# KiCad board backplane.20-slot.kicad_pcb (continued)
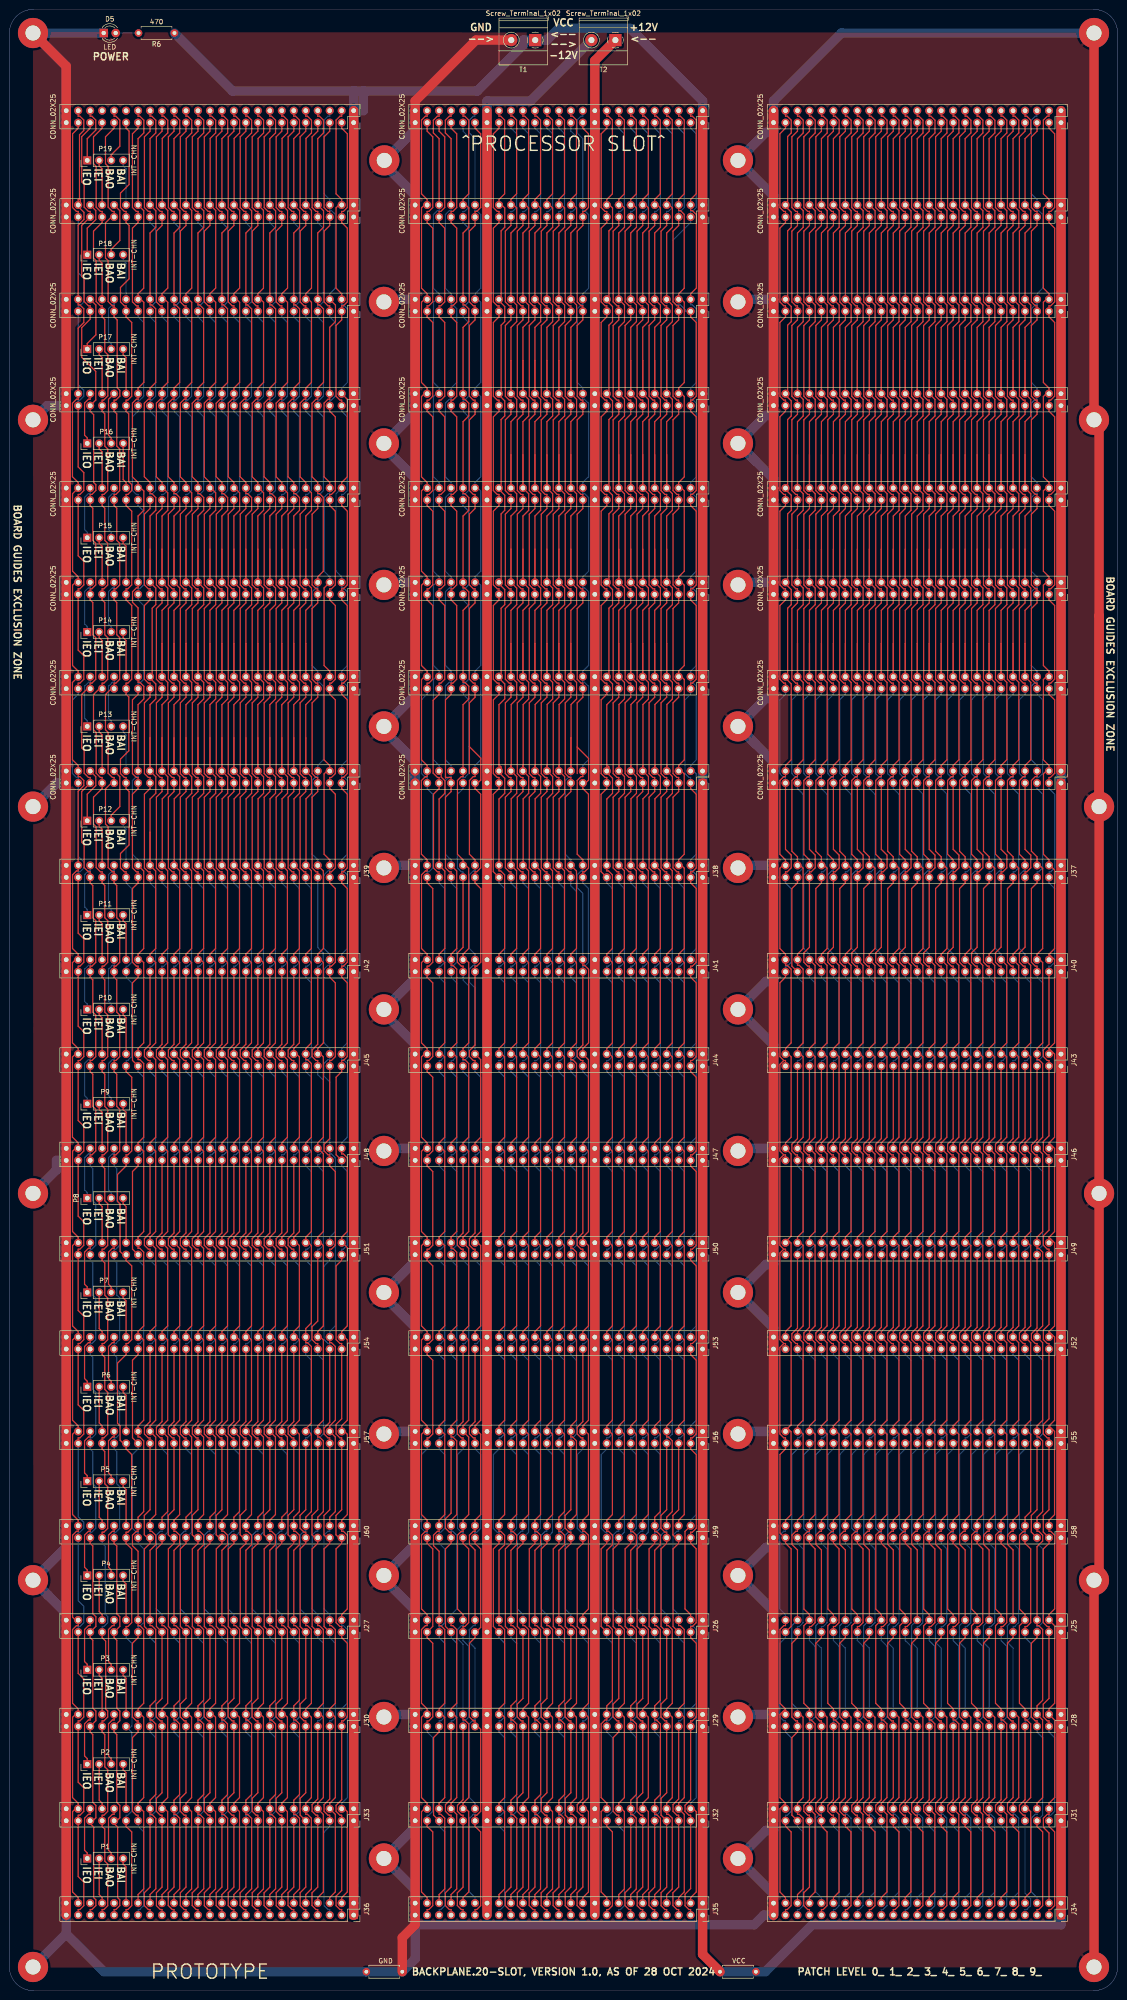
[diagram p0: board, top side]
## Routing (per net, layer and track width the routed paths; a pad name or vN(x,y) marks a point on that pad's centre or on a via; arc(x,y) is an arc through that point) (continued)
/D31: length 410.7
  Top w0.25: J46.4 220.46,179.72 ; 220.46,179.72 221.64,178.54 221.64,160.89 220.46,159.72 ; 220.46,179.72 221.64,180.89 221.64,198.54 220.46,199.72 ; 220.46,299.13 220.46,299.72 219.27,300.91 219.27,317.94 220.46,319.13 ; 220.46,299.13 J9.4 ; 220.46,299.13 219.27,297.94 219.27,280.91 220.46,279.72 220.46,279.13 ; 220.46,259.13 219.28,257.95 ; 220.46,259.13 220.46,259.72 219.27,260.91 219.27,277.94 220.46,279.13 ; 220.46,259.13 J3.4 ; 219.28,257.95 219.28,240.89 220.46,239.72 220.46,238.75 ; 219.28,257.95 219.27,257.94 ; J24.4 220.46,397.36 220.09,397.36 219.27,396.54 219.27,380.91 220.46,379.72 220.46,379.13 ; J18.4 220.46,359.13 ; 220.46,359.13 219.27,357.94 219.27,340.91 220.46,339.72 220.46,339.13 ; 220.46,359.13 220.46,359.72 219.27,360.91 219.27,377.94 220.46,379.13 ; J49.4 220.46,159.72 ; 220.46,159.72 221.64,158.54 221.64,140.89 220.46,139.72 ; 220.46,319.13 220.46,319.72 219.27,320.91 219.27,337.93 220.46,339.13 ; 220.46,319.13 J12.4 ; 220.46,279.13 J6.4 ; J52.4 220.46,139.72 ; 220.46,139.72 221.64,138.54 221.64,120.89 220.46,119.72 ; 220.46,119.72 J55.4 ; 220.46,119.72 221.64,118.54 221.64,100.89 220.46,99.72 J58.4 220.46,97.36 220.83,97.36 221.65,96.54 221.65,80.91 220.46,79.72 J25.4 221.66,77.35 221.66,60.91 220.46,59.72 J28.4 221.67,57.33 221.67,40.93 220.46,39.72 J31.4 220.46,37.36 220.09,37.36 219.27,36.54 219.27,34.6 220.46,33.4 J34.4 ; 220.46,339.13 J15.4 ; 220.46,238.75 221.64,237.57 221.64,220.89 220.46,219.72 ; 220.46,238.75 J37.4 ; J43.4 220.46,199.72 ; 220.46,199.72 221.64,200.89 221.64,218.54 220.46,219.72 ; 220.46,219.72 J40.4 ; J21.4 220.46,379.13
/E: length 405.7
  Top w0.25: J19.4 70.46,379.13 ; 70.46,379.13 69.27,377.94 69.27,360.91 70.46,359.72 J16.4 ; 70.46,379.13 70.46,379.72 69.27,380.91 69.27,396.54 70.09,397.36 70.46,397.36 J22.4 ; 70.46,139.13 70.46,139.72 71.65,140.91 71.65,157.52 70.46,158.71 ; 70.46,139.13 71.65,137.93 71.65,120.91 70.46,119.72 70.46,119.13 ; 70.46,139.13 J54.4 ; 70.46,158.71 70.46,159.72 71.65,160.91 71.65,176.54 70.83,177.36 70.46,177.36 J48.4 ; 70.46,158.71 J51.4 ; 70.46,338.54 J13.4 70.46,338.54 ; 70.46,338.54 71.66,337.35 71.66,320.91 70.46,319.72 J10.4 ; 70.46,119.13 71.65,117.93 71.65,100.91 70.46,99.72 J60.4 70.46,97.36 70.82,97.36 71.65,96.54 71.65,80.91 70.46,79.72 J27.4 ; 70.46,119.13 J57.4 ; J33.4 70.46,39.13 71.65,37.93 71.65,20.91 70.46,19.72 J36.4
  Bottom w0.25: 70.46,59.13 70.46,59.72 71.65,60.91 71.65,76.54 70.82,77.36 70.46,77.36 J27.4 ; 70.46,59.13 71.65,57.93 71.65,40.91 70.46,39.72 J33.4 ; 70.46,59.13 J30.4 ; J13.4 70.46,339.72 71.65,340.91 71.65,356.54 70.83,357.36 70.46,357.36 J16.4 ; J48.4 70.46,179.72 71.65,180.91 71.65,196.54 70.83,197.36 70.46,197.36 J45.4 70.46,199.72 71.65,200.91 71.65,216.54 70.83,217.36 70.46,217.36 J42.4 70.46,219.72 71.65,220.91 71.65,236.54 70.83,237.36 70.46,237.36 J39.4 70.46,239.72 71.65,240.91 71.65,256.54 70.83,257.36 70.46,257.36 J1.4 70.46,259.72 71.65,260.91 71.65,276.54 70.83,277.36 70.46,277.36 J4.4 70.46,279.72 71.65,280.91 71.65,296.54 70.83,297.36 70.46,297.36 J7.4 70.46,299.72 69.27,300.91 69.27,317.35 69.89,317.97 ; 69.89,317.97 J10.4 69.89,317.97
/I2C_SCL: length 402.8
  Top w0.25: J27.47 14.58,67.25 15.76,66.07 15.76,57.99 14.95,57.18 14.58,57.18 J30.47 14.58,44.17 15.76,42.99 15.76,37.99 14.95,37.18 14.58,37.18 J33.47 14.58,24.17 15.77,22.98 15.77,18 14.95,17.18 14.58,17.18 J36.47 ; J19.47 14.58,377.18 14.21,377.18 13.39,378 13.39,393.63 14.58,394.82 J22.47 ; J57.47 14.58,117.18 14.95,117.18 15.76,117.99 15.76,122.99 14.58,124.17 J54.47 14.58,137.18 14.95,137.18 15.76,137.99 15.76,142.99 14.58,144.17 J51.47 14.58,157.18 14.95,157.18 15.76,157.99 15.76,162.99 14.58,164.17 J48.47 14.58,177.18 14.95,177.18 15.77,178 15.77,183.25 14.58,184.45 J45.47 14.58,197.18 14.95,197.18 15.77,198 15.77,203.25 14.58,204.45 J42.47 14.58,217.18 14.95,217.18 15.77,218 15.77,222.98 14.58,224.17 J39.47 ; J13.47 14.58,323 15.77,321.81 15.77,318 14.95,317.18 14.58,317.18 J10.47 14.58,304.17 15.77,302.98 15.77,298 14.95,297.18 14.58,297.18 J7.47 14.58,284.17 15.77,282.98 15.77,278 14.95,277.18 14.58,277.18 J4.47
  Bottom w0.25: J4.47 14.58,274.82 13.37,273.61 13.37,258.02 14.21,257.18 14.58,257.18 J1.47 14.58,240.46 15.79,239.25 15.79,238.02 14.95,237.18 14.58,237.18 J39.47 ; J27.47 14.58,77.18 14.95,77.18 15.78,78.01 15.78,81.46 14.58,82.66 J60.47 14.58,97.18 14.95,97.18 15.79,98.02 15.79,99.25 14.58,100.46 J57.47 ; J13.47 14.58,337.18 14.95,337.18 15.79,338.02 15.79,339.25 14.58,340.46 J16.47 14.58,357.18 14.95,357.18 15.77,358 15.77,362.98 14.58,364.17 J19.47
/I2C_SDA: length 408.7
  Top w0.25: J57.48 14.58,119.13 ; 14.58,119.13 14.58,119.72 13.38,120.91 13.38,137.93 14.58,139.13 ; 14.58,119.13 13.38,117.93 13.38,100.91 14.58,99.72 J60.48 14.58,97.36 14.21,97.36 13.39,96.54 13.39,79.14 14.58,77.95 ; J45.48 14.58,199.13 ; 14.58,199.13 13.37,197.91 13.37,180.93 14.58,179.72 14.58,179.13 ; 14.58,199.13 14.58,199.72 13.37,200.93 13.37,217.91 14.58,219.13 ; 14.58,77.95 14.58,77.36 14.21,77.36 13.38,76.54 13.38,60.91 14.58,59.72 14.58,59.13 ; 14.58,77.95 J27.48 ; J4.48 14.58,279.13 ; J4.48 13.37,277.33 13.37,260.93 14.58,259.72 J1.48 14.58,257.36 14.95,257.36 15.77,256.54 15.77,255.44 14.58,254.25 J39.48 14.58,237.36 14.21,237.36 13.38,236.54 13.38,220.91 14.58,219.72 14.58,219.13 ; J4.48 14.58,279.13 ; 14.58,279.13 14.58,279.72 13.39,280.91 13.39,297.93 14.58,299.13 ; 14.58,299.13 14.58,299.72 13.39,300.91 13.39,317.35 J10.48 ; 14.58,299.13 J7.48 ; 14.86,379.75 14.86,393.43 15.76,394.33 15.76,396.55 14.95,397.36 14.58,397.36 J22.48 ; 14.86,379.75 14.83,379.72 14.58,379.72 J19.48 ; 14.86,379.75 14.96,379.75 15.03,379.67 15.03,377.76 15.8,376.99 15.8,375.47 14.58,374.25 J16.48 14.58,357.36 14.95,357.36 15.77,356.54 15.77,353.63 14.58,352.44 J13.48 14.58,337.36 14.21,337.36 13.37,336.52 13.37,320.93 14.58,319.72 14.58,319.13 ; J10.48 14.58,319.13 ; J10.48 14.58,319.13 ; 14.58,139.13 J54.48 ; 14.58,139.13 14.58,139.72 13.38,140.91 13.38,157.93 14.58,159.13 ; 14.58,219.13 J42.48 ; 14.58,39.13 14.58,39.72 13.38,40.91 13.38,57.93 14.58,59.13 ; 14.58,39.13 13.38,37.93 13.38,20.91 14.58,19.72 J36.48 ; 14.58,39.13 J33.48 ; 14.58,59.13 J30.48 ; J51.48 14.58,159.13 ; 14.58,159.13 14.58,159.72 13.38,160.91 13.38,177.93 14.58,179.13 ; 14.58,179.13 J48.48
/IC0: length 402.6
  Top w0.25: J23.45 91.12,394.19 92.31,393 92.31,378 91.49,377.18 91.12,377.18 J20.45 91.12,374.82 92.31,373.63 92.31,358 91.49,357.18 91.12,357.18 J17.45 91.12,354.82 92.31,353.63 92.31,338 91.49,337.18 91.12,337.18 J14.45 91.12,334.82 92.31,333.63 92.31,318 91.49,317.18 91.12,317.18 J11.45 91.12,314.82 92.31,313.63 92.31,298 91.49,297.18 91.12,297.18 J8.45 91.12,294.82 92.31,293.63 92.31,278 91.49,277.18 91.12,277.18 J5.45 91.12,274.82 89.85,273.55 89.85,258.11 90.78,257.18 91.12,257.18 J2.45 91.12,254.82 89.93,253.63 89.93,238 90.75,237.18 91.12,237.18 J38.45 ; J32.45 89.94,37.18 89.94,53.64 91.12,54.82 J29.45
  Bottom w0.25: J29.45 91.12,57.18 91.49,57.18 92.31,58 92.31,73.63 91.12,74.82 J26.45 91.12,77.18 91.49,77.18 92.31,78 92.31,93.63 91.12,94.82 J59.45 91.12,97.18 91.49,97.18 92.31,98 92.31,113.63 91.12,114.82 J56.45 91.12,117.18 91.49,117.18 92.31,118 92.31,133.63 91.12,134.82 J53.45 91.12,137.18 91.49,137.18 92.31,138 92.31,153.63 91.12,154.82 J50.45 91.12,157.18 91.49,157.18 92.31,158 92.31,173.63 91.12,174.82 J47.45 91.12,177.18 91.49,177.18 92.31,178 92.31,193.63 91.12,194.82 J44.45 91.12,197.18 91.49,197.18 92.31,198 92.31,213.63 91.12,214.82 J41.45 91.12,217.18 91.49,217.18 92.31,218 92.31,233.63 91.12,234.82 J38.45 ; J35.45 91.12,17.18 91.49,17.18 92.31,18 92.31,33.63 91.12,34.82 J32.45
/IC1: length 403.3
  Top w0.25: 92.47,257.32 92.47,273.63 93.66,274.82 J5.43 93.66,277.18 94.03,277.18 94.85,278 94.85,293.63 93.66,294.82 J8.43 93.66,297.18 94.03,297.18 94.85,298 94.85,313.63 93.66,314.82 J11.43 93.66,317.18 94.03,317.18 94.85,318 94.85,333.63 93.66,334.82 J14.43 93.66,337.18 94.03,337.18 94.85,338 94.85,353.63 93.66,354.82 J17.43 93.66,357.18 94.03,357.18 94.85,358 94.85,373.63 93.66,374.82 J20.43 93.66,377.18 94.03,377.18 94.85,378 94.85,393.63 93.66,394.82 J23.43 ; 92.47,257.32 92.47,257.04 ; 92.47,257.32 92.61,257.18 93.66,257.18 J2.43 93.66,254.19 92.47,253 92.47,238 93.29,237.18 93.66,237.18 J38.43 ; J26.43 92.47,77.19 92.47,93.63 93.66,94.82 J59.43 93.66,97.18 93.29,97.18 92.47,98 92.47,100.02 93.66,101.21 J56.43 ; J35.43 93.66,17.18 93.29,17.18 92.44,18.03 92.44,20.72 93.66,21.94 J32.43 93.66,37.18 93.29,37.18 92.47,38 92.47,39.42 93.66,40.61 J29.43
  Bottom w0.25: J56.43 93.66,117.18 94.03,117.18 94.85,118 94.85,133.63 93.66,134.82 J53.43 93.66,137.18 94.03,137.18 94.85,138 94.85,153.63 93.66,154.82 J50.43 93.66,157.18 94.03,157.18 94.85,158 94.85,173.63 93.66,174.82 J47.43 93.66,177.18 94.03,177.18 94.85,178 94.85,193.63 93.66,194.82 J44.43 93.66,197.18 94.03,197.18 94.85,198 94.85,213.63 93.66,214.82 J41.43 93.66,217.18 94.03,217.18 94.85,218 94.85,233.63 93.66,234.82 J38.43 ; J29.43 93.66,57.18 94.03,57.18 94.85,58 94.85,73.63 93.66,74.82 J26.43
/IC2: length 402.8
  Top w0.25: J56.41 96.2,117.18 95.83,117.18 95.01,118 95.01,119.42 96.2,120.61 J53.41 ; J35.41 96.2,17.18 95.83,17.18 94.99,18.02 94.99,20.72 96.2,21.94 J32.41 96.2,37.18 95.83,37.18 95.01,38 95.01,39.27 96.2,40.46 J29.41 ; J41.41 96.2,217.18 95.83,217.18 95.01,218 95.01,219.99 96.2,221.18 J38.41 ; J47.41 96.2,160.61 95.01,159.42 95.01,158 95.83,157.18 96.2,157.18 J50.41 ; J59.41 96.2,94.82 97.39,93.63 97.39,78 96.57,77.18 96.2,77.18 J26.41
  Bottom w0.25: J47.41 96.2,177.18 96.57,177.18 97.39,178 97.39,193.63 96.2,194.82 J44.41 96.2,197.18 96.57,197.18 97.39,198 97.39,213 96.2,214.19 J41.41 ; J50.41 96.2,154.82 97.39,153.63 97.39,138 96.57,137.18 96.2,137.18 J53.41 ; J26.41 96.2,74.19 97.39,72.99 97.39,58 96.57,57.18 96.2,57.18 J29.41 ; J38.41 96.2,237.18 95.83,237.18 95.01,238 95.01,253.63 96.2,254.82 J2.41 96.2,257.18 96.57,257.18 97.39,258 97.39,273.63 96.2,274.82 J5.41 96.2,277.18 96.56,277.18 97.39,278 97.39,293.63 96.2,294.82 J8.41 96.2,297.18 96.56,297.18 97.39,298 97.39,313.63 96.2,314.82 J11.41 96.2,317.18 96.56,317.18 97.39,318 97.39,333.63 96.2,334.82 J14.41 96.2,337.18 96.56,337.18 97.39,338 97.39,353.63 96.2,354.82 J17.41 96.2,357.18 96.56,357.18 97.39,358 97.39,373.63 96.2,374.82 J20.41 96.2,377.18 96.56,377.18 97.39,378 97.39,393 96.2,394.19 J23.41 ; J56.41 96.2,114.82 95.02,113.65 95.02,97.99 95.83,97.18 96.2,97.18 J59.41
/IC3: length 410.5
  Top w0.25: J44.39 98.74,197.18 98.37,197.18 97.55,198 97.55,199.27 98.74,200.46 J41.39 98.74,217.18 99.11,217.18 99.95,218.02 99.95,233.61 98.74,234.82 J38.39 98.74,237.18 99.11,237.18 99.94,238 99.94,253.63 98.74,254.82 98.74,255.41 ; 98.74,75.8 99.93,77 99.93,93.63 98.74,94.82 J59.39 ; 98.74,75.8 98.74,74.82 97.55,73.63 97.55,58 98.37,57.18 98.74,57.18 98.74,56.59 ; 98.74,75.8 J26.39 ; J53.39 98.74,120.61 97.55,119.42 97.55,118 98.37,117.18 98.74,117.18 J56.39 ; 98.74,56.59 99.93,55.4 99.93,38 99.11,37.18 98.74,37.18 J32.39 98.74,34.82 99.93,33.63 99.93,18 99.11,17.18 98.74,17.18 J35.39 ; 98.74,56.59 J29.39 ; 97.55,263.7 97.55,273 98.74,274.19 J5.39 98.74,277.18 98.38,277.18 97.55,278 97.55,293 98.74,294.19 J8.39 98.74,297.18 98.38,297.18 97.55,298 97.55,313 98.74,314.19 J11.39 98.74,317.18 98.38,317.18 97.55,318 97.55,333 98.74,334.19 J14.39 98.74,337.18 98.38,337.18 97.55,338 97.55,353 98.74,354.19 J17.39 98.74,357.18 98.38,357.18 97.55,358 97.55,373 98.74,374.19 J20.39 98.74,377.18 99.11,377.18 99.93,378 99.93,393.63 98.74,394.82 J23.39 ; 97.55,263.7 99.95,261.29 99.95,256.63 98.74,255.41 ; 97.55,263.7 97.55,258 ; J2.39 98.74,255.41 ; J50.39 98.74,157.18 98.37,157.18 97.55,158 97.55,159.42 98.74,160.61 J47.39
  Bottom w0.25: J59.39 98.74,97.18 99.11,97.18 99.93,98 99.93,113.63 98.74,114.82 J56.39 ; J44.39 98.74,194.82 99.93,193.63 99.93,178 99.11,177.18 98.74,177.18 J47.39 ; J53.39 98.74,137.18 99.11,137.18 99.93,138 99.93,153.63 98.74,154.82 J50.39
/IPL0: length 406.7
  Top w0.25: 164.21,177.18 164.58,177.18 J46.47 ; 164.21,177.18 163.38,178.01 163.38,196.34 164.21,197.18 ; 164.21,177.18 163.38,176.34 163.38,158.01 164.21,157.18 ; 164.21,197.18 163.39,198 163.39,213.63 164.58,214.82 J40.47 ; 164.21,197.18 164.58,197.18 J43.47 ; 164.21,137.18 164.58,137.18 J52.47 ; 164.21,137.18 163.38,138.01 163.38,156.34 164.21,157.18 ; 164.21,137.18 163.38,136.34 163.38,118.01 164.21,117.18 164.58,117.18 J55.47 164.58,114.82 163.4,113.65 163.4,97.01 164.58,95.83 ; J58.47 164.58,95.83 ; 164.58,95.83 164.58,94.82 165.77,93.63 165.77,77.19 J25.47 ; 164.21,157.18 164.58,157.18 J49.47 ; J37.47 164.58,237.18 164.95,237.18 165.8,238.03 165.8,240.72 164.58,241.94 J3.47 ; J31.47 164.58,34.82 165.77,33.63 165.77,18 164.95,17.18 164.58,17.18 J34.47 ; J24.47 164.58,394.82 163.39,393.63 163.39,378 164.22,377.18 164.58,377.18 J21.47 164.58,374.82 163.39,373.63 163.39,358 164.22,357.18 164.58,357.18 J18.47 164.58,354.82 163.39,353.63 163.39,338 164.22,337.18 164.58,337.18 J15.47 164.58,334.82 163.39,333.63 163.39,318 164.22,317.18 164.58,317.18 J12.47 164.58,314.82 163.39,313.63 163.39,298 164.22,297.18 164.58,297.18 J9.47 164.58,294.82 163.39,293.63 163.39,278 164.22,277.18 164.58,277.18 J6.47
  Bottom w0.25: J40.47 164.58,217.18 164.95,217.18 165.77,218 165.77,233.63 164.58,234.82 J37.47 ; J3.47 164.58,257.18 164.21,257.18 163.39,258 163.39,273.63 164.58,274.82 J6.47 ; J25.47 164.58,74.82 163.39,73.63 163.39,58 164.21,57.18 164.58,57.18 J28.47 164.58,54.82 165.77,53.63 165.77,38 164.95,37.18 164.58,37.18 J31.47
/IPL1: length 402.8
  Top w0.25: J25.45 167.12,74.82 165.93,73.63 165.93,58 166.75,57.18 167.12,57.18 J28.45 167.12,54.82 165.94,53.64 165.94,37.18 J31.45 ; J52.45 167.12,137.18 166.75,137.18 165.93,138 165.93,139.25 167.12,140.44 J49.45 ; J24.45 167.12,394.19 165.93,393 165.93,378 166.75,377.18 167.12,377.18 J21.45 167.12,374.19 165.93,373 165.93,358 166.75,357.18 167.12,357.18 J18.45 167.12,354.19 165.93,353 165.93,338 166.75,337.18 167.12,337.18 J15.45 167.12,334.19 165.93,333 165.93,318 166.75,317.18 167.12,317.18 J12.45 167.12,314.19 165.93,313 165.93,298 166.75,297.18 167.12,297.18 J9.45 167.12,294.19 165.93,293 165.93,278 166.75,277.18 167.12,277.18 J6.45 ; J46.45 167.12,177.18 166.75,177.18 165.93,178 165.93,179.42 167.12,180.61 J43.45 ; J37.45 167.12,234.82 165.93,233.63 165.93,217.19 J40.45
  Bottom w0.25: J34.45 167.12,17.18 167.49,17.18 168.31,18 168.31,33.63 167.12,34.82 J31.45 ; J40.45 167.12,214.82 168.31,213.63 168.31,198 167.49,197.18 167.12,197.18 J43.45 ; J6.45 167.12,274.82 165.93,273.63 165.93,258 166.75,257.18 167.12,257.18 J3.45 167.12,254.82 168.31,253.63 168.31,238 167.49,237.18 167.12,237.18 J37.45 ; J25.45 167.12,77.18 167.49,77.18 168.31,78 168.31,93.63 167.12,94.82 167.12,95.41 ; J49.45 167.12,157.18 167.49,157.18 168.31,158 168.31,173.63 167.12,174.82 J46.45 ; 167.12,95.41 J58.45 ; 167.12,95.41 165.93,96.61 165.93,113.63 167.12,114.82 J55.45 167.12,117.18 167.49,117.18 168.31,118 168.31,133.63 167.12,134.82 J52.45
/IPL2: length 403.2
  Top w0.25: J40.43 169.66,217.18 169.29,217.18 168.47,218 168.47,219.99 169.66,221.18 J37.43 169.66,237.18 170.03,237.18 170.88,238.03 170.88,240.72 169.66,241.94 J3.43 ; J24.43 169.66,394.19 168.47,393 168.47,378 169.3,377.18 169.66,377.18 J21.43 169.66,374.19 168.47,373 168.47,358 169.3,357.18 169.66,357.18 J18.43 169.66,354.19 168.47,353 168.47,338 169.3,337.18 169.66,337.18 J15.43 169.66,334.19 168.47,333 168.47,318 169.3,317.18 169.66,317.18 J12.43 169.66,314.19 168.47,313 168.47,298 169.3,297.18 169.66,297.18 J9.43 169.66,294.19 168.47,293 168.47,278 169.3,277.18 169.66,277.18 J6.43 ; J25.43 169.66,77.18 170.03,77.18 170.85,78 170.85,93.63 169.66,94.82 J58.43 ; J43.43 169.66,180.61 168.47,179.42 168.47,178 169.29,177.18 169.66,177.18 J46.43 ; J52.43 169.66,137.18 169.29,137.18 168.47,138 168.47,139.42 169.66,140.61 J49.43 ; J28.43 169.66,40.46 168.47,39.26 168.47,38 169.29,37.18 169.66,37.18 J31.43 169.66,21.94 168.44,20.72 168.44,18.03 169.29,17.18 169.66,17.18 J34.43
  Bottom w0.25: J28.43 169.66,57.18 170.03,57.18 170.85,58 170.85,73 169.66,74.19 J25.43 ; 169.66,115.41 170.85,116.61 170.85,133.63 169.66,134.82 J52.43 ; 169.66,115.41 169.66,114.82 168.47,113.63 168.47,98 169.29,97.18 169.66,97.18 J58.43 ; 169.66,115.41 J55.43 ; J43.43 169.66,197.18 170.03,197.18 170.85,198 170.85,213.63 169.66,214.82 J40.43 ; J3.43 169.66,257.18 169.29,257.18 168.47,258 168.47,273.63 169.66,274.82 J6.43 ; J49.43 169.66,157.18 170.03,157.18 170.85,158 170.85,173.63 169.66,174.82 J46.43
/LDS: length 431.4
  Top w0.25: 177.28,305.57 J9.38 ; 177.28,305.57 177.28,312.6 178.5,313.82 178.5,317.32 J12.38 ; 177.28,305.57 J9.38 ; J9.38 178.5,297.32 178.5,293.82 177.28,292.6 177.28,285.57 ; 177.28,199.13 178.47,197.93 178.47,180.91 177.28,179.72 J46.38 178.47,177.35 178.47,160.91 177.28,159.72 177.28,159.13 ; 177.28,199.13 177.28,199.72 178.47,200.91 178.47,217.35 J40.38 177.28,219.72 178.47,220.91 178.47,237.93 177.28,239.13 ; 177.28,199.13 J43.38 ; 177.28,345.57 J15.38 ; 177.28,345.57 J15.38 ; 177.28,345.57 177.28,352.6 178.5,353.82 178.5,357.32 J18.38 177.28,372.6 178.5,373.82 178.5,377.32 J21.38 177.28,392.6 178.5,393.82 178.5,396.51 177.65,397.36 177.28,397.36 J24.38 ; J15.38 178.5,337.32 178.5,333.82 177.28,332.6 177.28,325.57 ; 177.28,159.13 178.47,157.93 178.47,140.91 177.28,139.72 J52.38 178.47,137.35 178.47,120.91 177.28,119.72 177.28,119.13 ; 177.28,159.13 J49.38 ; J55.38 177.28,119.13 ; 177.28,119.13 178.47,117.93 178.47,100.91 177.28,99.72 J58.38 177.28,97.36 176.91,97.36 176.1,96.56 176.1,94.58 177.28,93.4 J25.38 ; J28.38 177.28,59.13 178.47,57.93 178.47,40.91 177.28,39.72 J31.38 ; 177.28,285.57 J6.38 ; 177.28,285.57 J6.38 ; J6.38 178.5,277.32 178.5,260.93 177.28,259.72 J3.38 177.28,257.36 176.91,257.36 176.09,256.54 176.09,241.54 177.28,240.35 177.28,239.13 ; 177.28,325.57 J12.38 ; 177.28,325.57 J12.38 ; J37.38 177.28,239.13
  Bottom w0.25: J31.38 177.28,37.36 177.65,37.36 178.47,36.54 178.47,20.91 177.28,19.72 J34.38 ; J25.38 176.06,77.32 176.06,73.82 177.28,72.6 J28.38
/PHI: length 404.6
  Top w0.25: J45.8 65.38,199.13 ; 65.38,199.13 65.38,199.72 66.57,200.91 66.57,217.93 65.38,219.13 ; 65.38,199.13 66.57,197.93 66.57,180.91 65.38,179.72 65.38,178.61 ; J60.8 65.38,100.35 66.57,101.54 66.57,116.54 65.75,117.36 65.38,117.36 J57.8 65.38,119.72 66.57,120.91 66.57,137.93 65.38,139.13 ; 65.38,178.61 66.57,177.42 66.57,160.91 65.38,159.72 65.38,159.13 ; 65.38,178.61 J48.8 ; 65.38,39.13 65.38,39.72 66.57,40.91 66.57,57.93 65.38,59.13 ; 65.38,39.13 J33.8 ; 65.38,39.13 J33.8 ; J7.8 65.38,299.72 66.56,300.89 66.56,316.55 65.75,317.36 65.38,317.36 J10.8 65.38,319.72 64.16,320.93 64.16,336.51 65.01,337.36 65.38,337.36 J13.8 65.38,339.72 66.61,340.94 66.61,356.5 65.75,357.36 65.38,357.36 J16.8 65.38,372.6 66.61,373.83 66.61,377.31 J19.8 65.38,392.6 66.6,393.82 66.6,396.51 65.75,397.36 65.38,397.36 J22.8 ; J27.8 65.38,77.36 65.75,77.36 66.57,76.54 66.57,60.91 65.38,59.72 65.38,59.13 ; J33.8 66.57,37.35 66.57,20.91 65.38,19.72 J36.8 ; 65.38,139.13 J54.8 ; 65.38,139.13 65.38,139.72 66.57,140.91 66.57,157.93 65.38,159.13 ; 65.38,238.54 66.57,237.35 66.57,220.91 65.38,219.72 65.38,219.13 ; 65.38,238.54 J39.8 65.38,238.54 ; J30.8 65.38,59.13 ; 65.38,159.13 J51.8 ; J42.8 65.38,219.13
  Bottom w0.25: J39.8 65.38,239.72 64.19,240.91 64.19,256.54 65.01,257.36 65.38,257.36 J1.8 65.38,259.72 66.57,260.91 66.57,276.54 65.75,277.36 65.38,277.36 J4.8 65.38,279.72 64.19,280.91 64.19,296.54 65.01,297.36 65.38,297.36 J7.8 ; J60.8 65.38,97.36 65.01,97.36 64.19,96.54 64.19,80.91 65.38,79.72 J27.8
/S0: length 429.8
  Top w0.25: 169.66,159.13 169.66,159.72 170.85,160.91 170.85,177.35 J46.44 169.66,179.72 170.85,180.91 170.85,197.94 169.66,199.13 ; 169.66,159.13 J49.44 ; 169.66,159.13 170.85,157.94 170.85,140.91 169.66,139.72 J52.44 170.85,137.35 170.85,120.91 169.66,119.72 169.66,119.13 ; J6.44 170.88,277.32 170.88,260.93 169.66,259.72 J3.44 169.66,257.36 169.29,257.36 168.47,256.54 168.47,240.91 169.66,239.72 J37.44 ; J6.44 169.66,285.57 ; J6.44 169.66,285.57 ; 169.66,119.13 170.85,117.94 170.85,100.91 169.66,99.72 J58.44 169.66,97.36 169.29,97.36 168.48,96.56 168.48,80.89 169.66,79.72 J25.44 168.47,77.35 168.47,60.91 169.66,59.72 J28.44 169.66,57.36 170.03,57.36 170.85,56.54 170.85,40.91 169.66,39.72 J31.44 170.85,37.35 170.85,20.91 169.66,19.72 J34.44 ; 169.66,119.13 J55.44 ; 169.66,305.57 J9.44 ; 169.66,305.57 169.66,312.6 170.88,313.82 170.88,317.32 J12.44 ; 169.66,305.57 J9.44 ; J9.44 170.88,297.32 170.88,293.82 169.66,292.6 169.66,285.57 ; J15.44 170.88,337.32 170.88,333.82 169.66,332.6 169.66,325.57 ; J15.44 169.66,345.57 ; J15.44 169.66,345.57 ; J40.44 170.85,217.35 170.85,200.91 169.66,199.72 169.66,199.13 ; 169.66,345.57 169.66,352.6 170.88,353.82 170.88,357.32 J18.44 169.66,372.6 170.88,373.82 170.88,377.32 J21.44 169.66,392.6 170.88,393.82 170.88,396.51 170.03,397.36 169.66,397.36 J24.44 ; 169.66,325.57 J12.44 ; 169.66,325.57 J12.44 ; 169.66,199.13 J43.44
  Bottom w0.25: J37.44 169.66,237.36 169.29,237.36 168.47,236.54 168.47,220.91 169.66,219.72 J40.44
/S1: length 431.4
  Top w0.25: 172.2,345.57 172.2,352.6 173.42,353.82 173.42,357.32 J18.42 172.2,372.6 173.42,373.82 173.42,377.32 J21.42 172.2,392.6 173.42,393.82 173.42,396.51 172.57,397.36 172.2,397.36 J24.42 ; 172.2,345.57 J15.42 ; 172.2,345.57 J15.42 ; J37.42 172.2,239.13 ; 172.2,239.13 173.39,237.93 173.39,220.91 172.2,219.72 J40.42 173.39,217.35 173.39,200.91 172.2,199.72 172.2,199.13 ; 172.2,239.13 172.2,240.35 171.01,241.54 171.01,256.54 171.83,257.36 172.2,257.36 J3.42 172.2,259.72 173.42,260.93 173.42,277.32 J6.42 ; J15.42 173.42,337.32 173.42,333.82 172.2,332.6 172.2,325.57 ; 172.2,305.57 172.2,312.6 173.42,313.82 173.42,317.32 J12.42 ; 172.2,305.57 J9.42 ; 172.2,305.57 J9.42 ; J25.42 172.2,93.4 171.02,94.58 171.02,96.56 171.83,97.36 172.2,97.36 J58.42 172.2,99.72 173.39,100.91 173.39,117.93 172.2,119.13 ; 172.2,119.13 172.2,119.72 173.39,120.91 173.39,137.35 J52.42 172.2,139.72 173.39,140.91 173.39,157.93 172.2,159.13 ; 172.2,119.13 J55.42 ; 172.2,199.13 J43.42 ; 172.2,199.13 173.39,197.93 173.39,180.91 172.2,179.72 J46.42 173.39,177.35 173.39,160.91 172.2,159.72 172.2,159.13 ; 172.2,285.57 172.2,292.6 173.42,293.82 173.42,297.32 J9.42 ; 172.2,285.57 J6.42 ; 172.2,285.57 J6.42 ; J28.42 172.2,59.13 173.39,57.93 173.39,40.91 172.2,39.72 J31.42 ; 172.2,325.57 J12.42 ; 172.2,325.57 J12.42 ; J49.42 172.2,159.13
  Bottom w0.25: J31.42 172.2,37.36 171.83,37.36 171.01,36.54 171.01,20.91 172.2,19.72 J34.42 ; J25.42 170.98,77.32 170.98,73.82 172.2,72.6 J28.42
/S2: length 429.9
  Top w0.25: J6.40 174.74,285.57 ; J6.40 174.74,285.57 ; J6.40 175.96,277.32 175.96,260.93 174.74,259.72 J3.40 174.74,257.36 174.37,257.36 173.55,256.54 173.55,240.91 174.74,239.72 J37.40 ; 174.74,285.57 174.74,292.6 175.96,293.82 175.96,297.32 J9.40 ; J12.40 174.74,325.57 ; J12.40 175.96,317.32 175.96,313.82 174.74,312.6 174.74,305.57 ; J12.40 174.74,325.57 ; 174.74,325.57 174.74,332.6 175.96,333.82 175.96,337.32 J15.40 ; 174.74,345.57 174.74,352.6 175.96,353.82 175.96,357.32 J18.40 174.74,372.6 175.96,373.82 175.96,377.32 J21.40 174.74,392.6 175.96,393.82 175.96,396.51 175.11,397.36 174.74,397.36 J24.40 ; 174.74,345.57 J15.40 ; 174.74,345.57 J15.40 ; J40.40 175.93,217.35 175.93,200.91 174.74,199.72 174.74,199.13 ; 174.74,119.13 174.74,119.72 175.93,120.91 175.93,137.35 J52.40 174.74,139.72 175.93,140.91 175.93,157.93 174.74,159.13 ; 174.74,119.13 J55.40 ; 174.74,119.13 175.93,117.93 175.93,100.91 174.74,99.72 J58.40 174.74,97.36 174.37,97.36 173.56,96.56 173.56,80.89 174.74,79.72 J25.40 173.55,77.35 173.55,60.91 174.74,59.72 J28.40 174.74,57.36 175.11,57.36 175.93,56.54 175.93,40.91 174.74,39.72 J31.40 175.93,37.35 175.93,20.91 174.74,19.72 J34.40 ; J43.40 174.74,199.13 ; 174.74,199.13 175.93,197.93 175.93,180.91 174.74,179.72 J46.40 175.93,177.35 175.93,160.91 174.74,159.72 174.74,159.13 ; J9.40 174.74,305.57 ; J9.40 174.74,305.57 ; 174.74,159.13 J49.40
  Bottom w0.25: J40.40 174.74,219.72 173.55,220.91 173.55,236.54 174.37,237.36 174.74,237.36 J37.40
/ST: length 404.7
  Top w0.25: 67.92,59.13 69.11,57.93 69.11,40.91 67.92,39.72 67.92,39.13 ; 67.92,59.13 67.92,59.72 69.11,60.91 69.11,76.54 68.29,77.36 67.92,77.36 J27.6 ; 67.92,59.13 J30.6 ; J57.6 69.11,117.35 69.11,101.54 67.92,100.35 J60.6 ; J57.6 67.92,119.13 ; J57.6 67.92,119.13 ; 67.92,39.13 J33.6 ; 67.92,39.13 J33.6 ; J33.6 69.11,37.35 69.11,20.91 67.92,19.72 J36.6 ; 67.92,259.13 66.73,257.93 66.73,240.91 67.92,239.72 J39.6 ; 67.92,259.13 67.92,259.72 66.73,260.91 66.73,277.93 67.92,279.13 ; 67.92,259.13 J1.6 ; J7.6 66.73,297.35 66.73,280.91 67.92,279.72 67.92,279.13 ; 67.92,279.13 J4.6 ; 67.92,119.13 67.92,119.72 69.11,120.91 69.11,136.54 68.29,137.36 67.92,137.36 J54.6 ; J16.6 69.14,357.32 69.14,353.82 67.92,352.6 J13.6 67.92,337.36 67.55,337.36 66.73,336.54 66.73,320.91 67.92,319.72 J10.6
  Bottom w0.25: J16.6 67.92,359.72 69.11,360.91 69.11,376.54 68.29,377.36 67.92,377.36 J19.6 67.92,379.72 66.73,380.91 66.73,396.54 67.55,397.36 67.92,397.36 J22.6 ; J51.6 67.92,159.13 ; 67.92,159.13 67.92,159.72 69.11,160.91 69.11,176.54 68.29,177.36 67.92,177.36 J48.6 67.92,192.6 66.7,193.82 66.7,196.51 67.55,197.36 67.92,197.36 J45.6 67.92,199.72 66.73,200.91 66.73,216.54 67.55,217.36 67.92,217.36 J42.6 67.92,219.72 66.73,220.91 66.73,236.54 67.55,237.36 67.92,237.36 J39.6 ; 67.92,159.13 69.11,157.94 69.11,140.91 67.92,139.72 J54.6 ; J27.6 67.92,79.72 66.73,80.91 66.73,96.54 67.56,97.36 67.92,97.36 J60.6 ; J7.6 67.92,299.72 66.74,300.89 66.74,316.55 67.56,317.36 67.92,317.36 J10.6